# Altium PCB NURIP.PcbDoc (part 1 of 14) (continued)
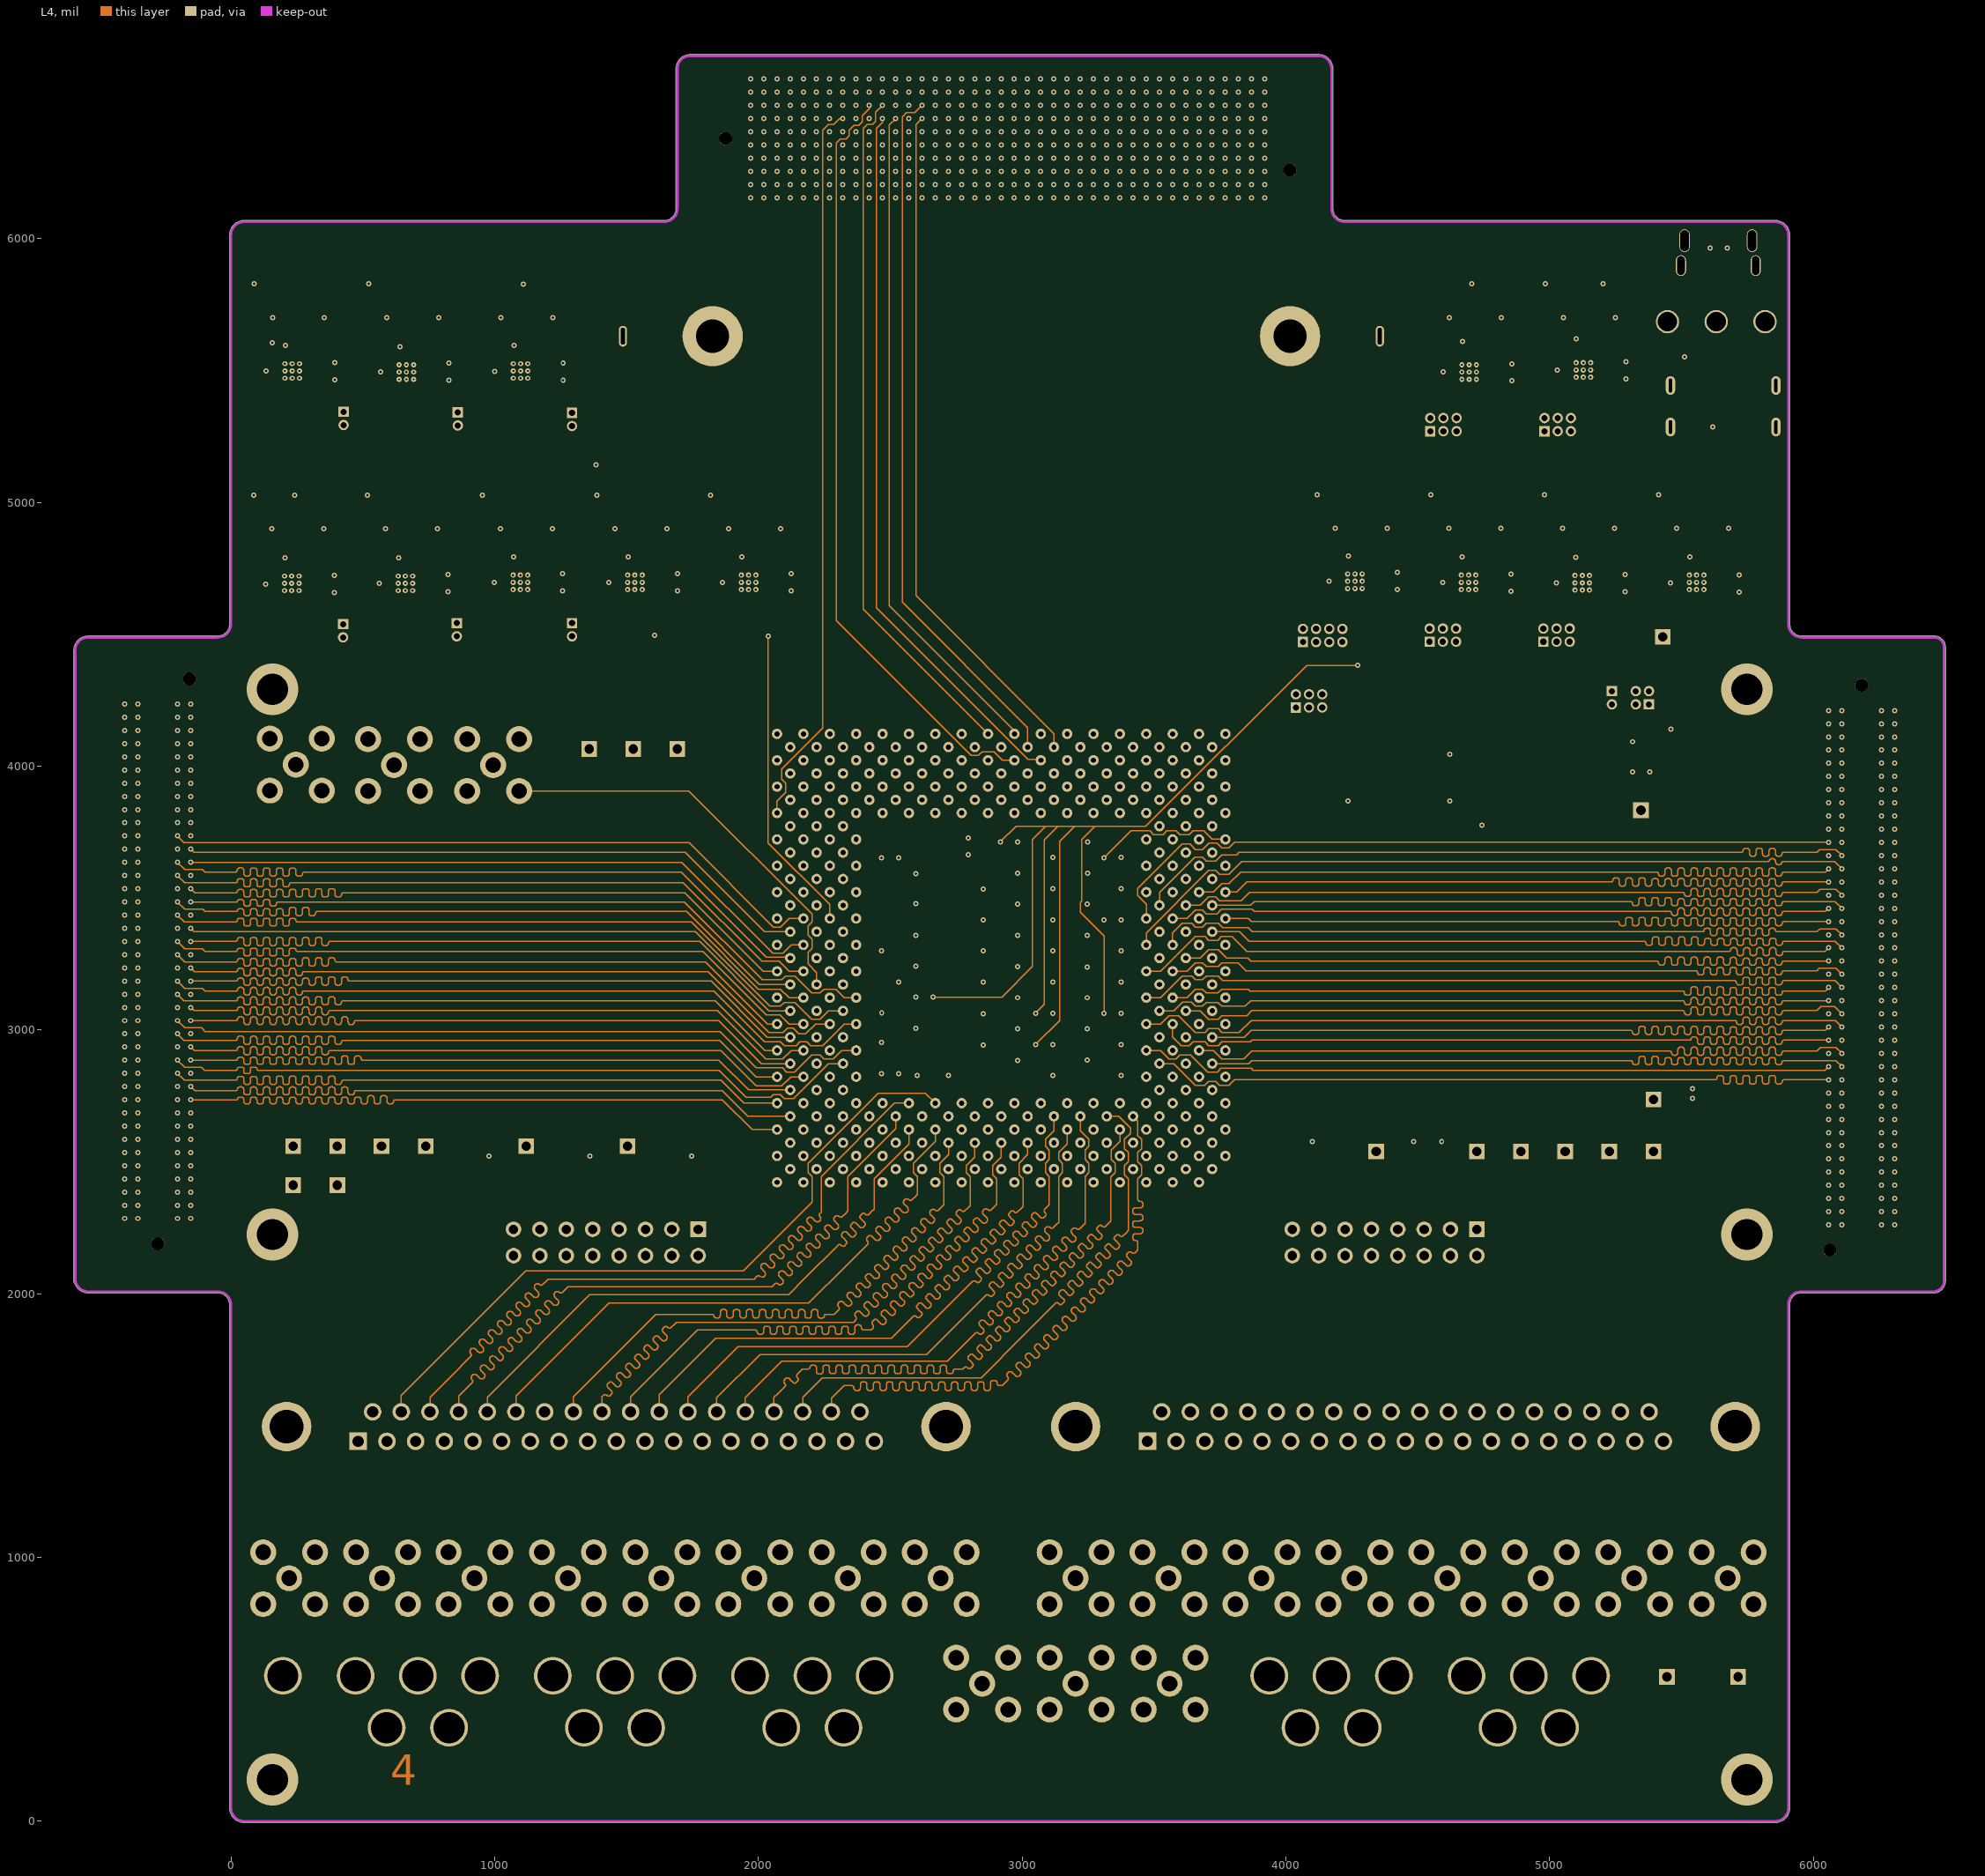
[diagram p4: L4]
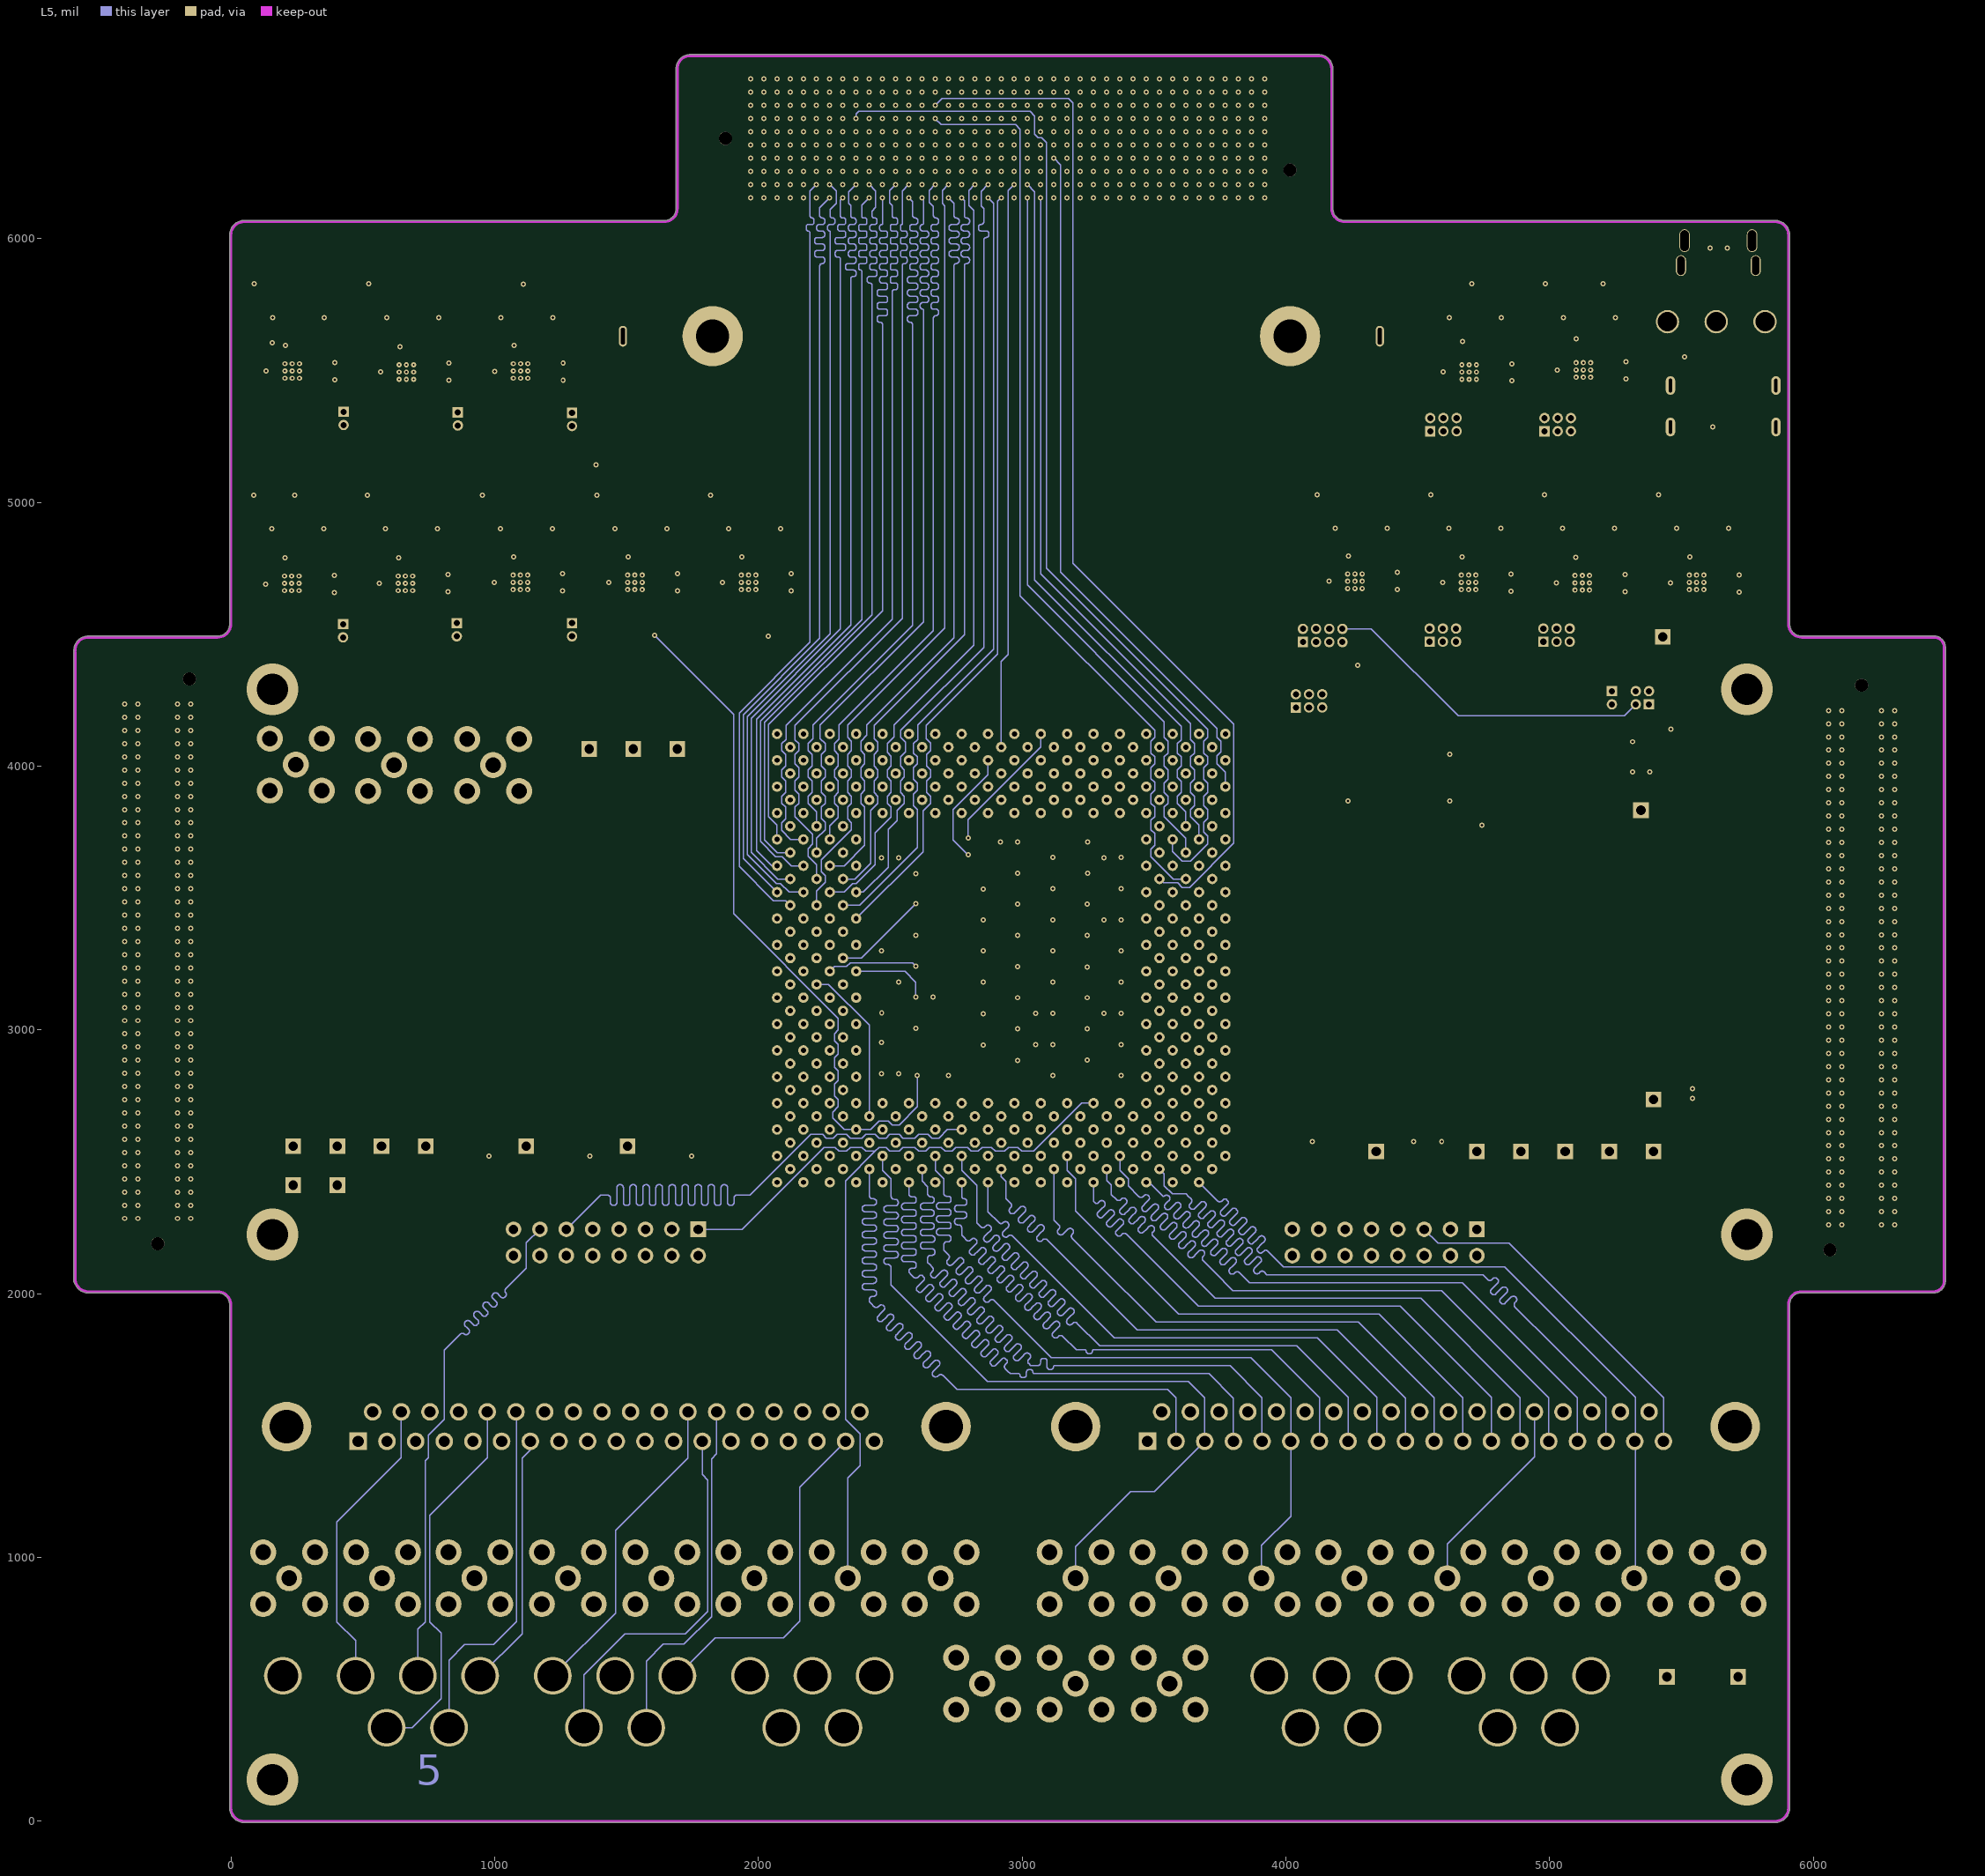
[diagram p5: L5]
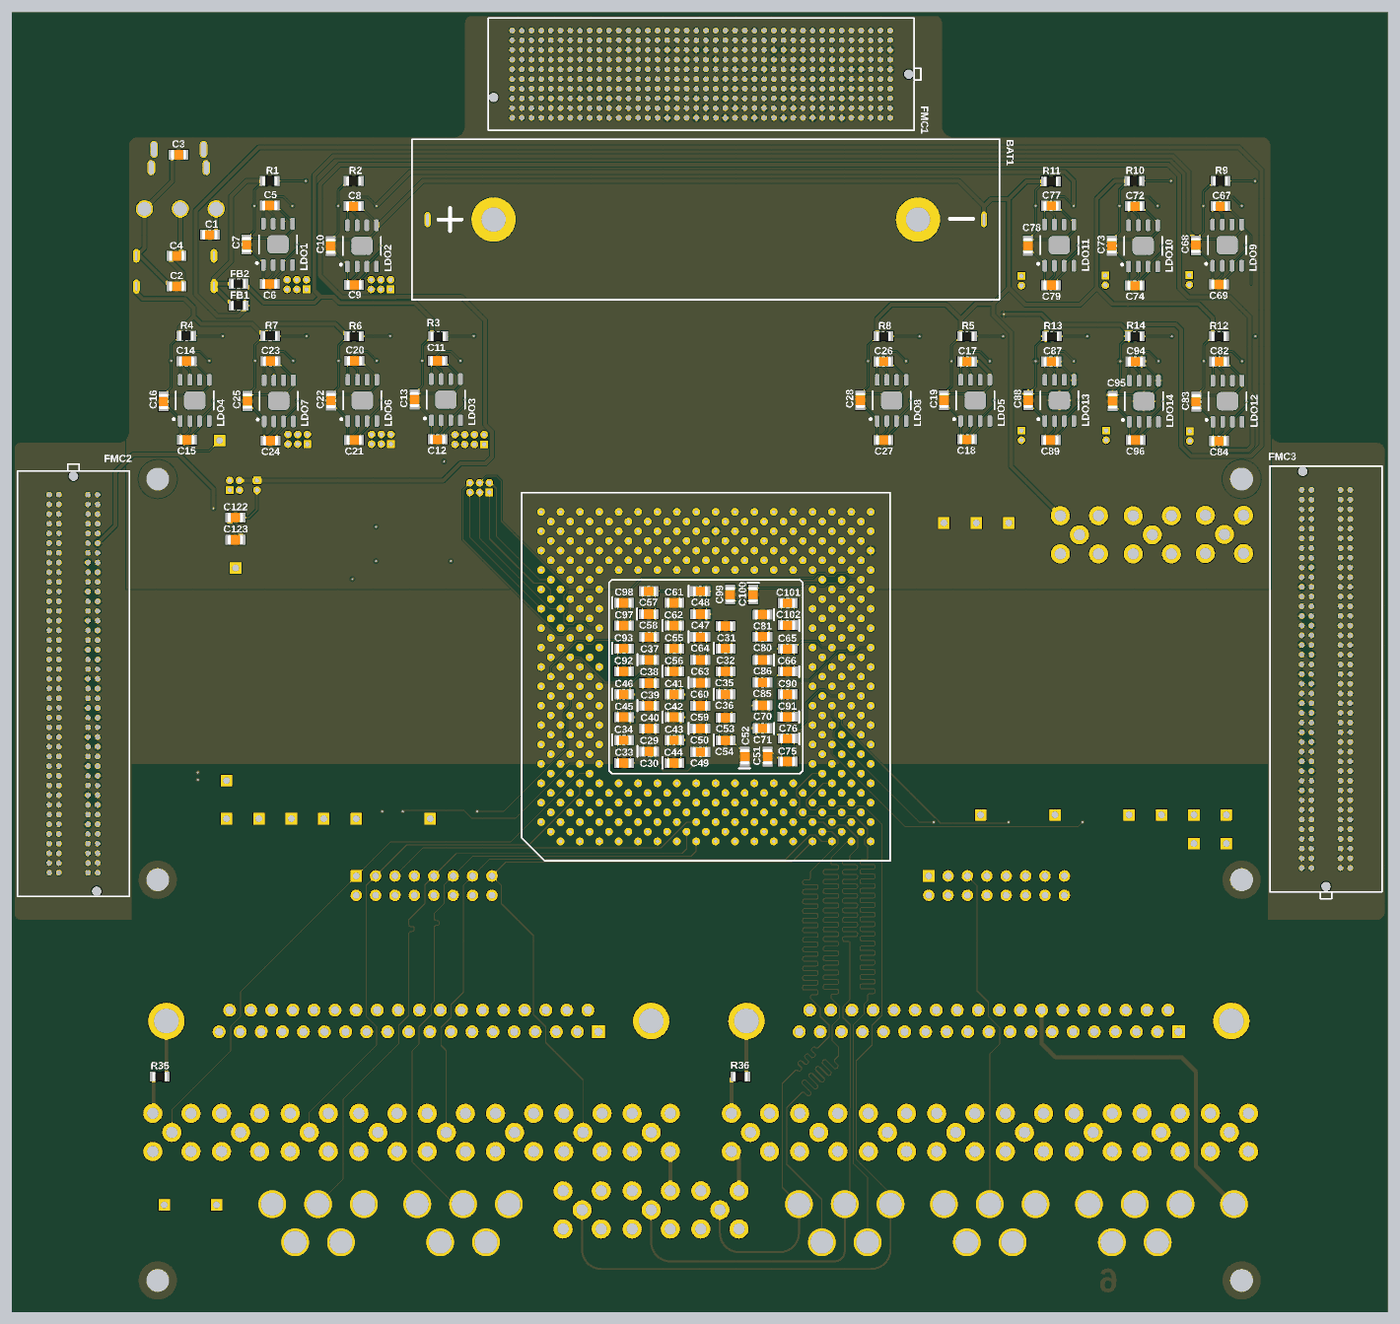
[diagram p19: 3D render of the assembled board from below, using the file's embedded part models]

## Layer stack, top to bottom
Top Solder: solder mask 0.4, Solder Resist, Dk 3.5
L1: signal copper 1.4
Dielectric 1: core 10, FR-4, Dk 4.2
L2: signal copper 1.4173
Dielectric 3: core 10, Dk 4.2
L3: signal copper 1.4173
Dielectric 4: prepreg 5, Dk 4.2
L4: signal copper 1.4173
Dielectric 2: core 10, Dk 4.2
L5: signal copper 1.4173
Dielectric 5: prepreg 5, Dk 4.2
L6: signal copper 1.4
Bottom Solder: solder mask 0.4, Solder Resist, Dk 3.5

## Board outline
-595.57,2057.84 cw(c-590.55,2057.87) -595.57,2057.87 cw(c-590.55,2057.87) -595.57,2057.91 -595.57,2057.87 -595.57,2066.93 cw(c-590.55,2066.93) -595.57,2066.96 -595.57,4433.07 cw(c-590.55,4433.07) -594.86,4435.63 cw(c-590.55,4438.19) -595.57,4438.19 cw(c-540.55,4438.19) -540.55,4493.2 -50,4493.2 ccw(c-50,4538.19) -5.01,4538.19 -5.01,6013.7 cw(c50,6013.7) 50,6068.72 1642.91,6068.72 ccw(c1642.91,6113.7) 1687.9,6113.7 1687.9,6643.62 cw(c1742.2,6643.62) 1742.2,6697.93 4123.94,6697.93 cw(c4123.94,6643.62) 4178.24,6643.62 4178.24,6113.7 ccw(c4223.23,6113.7) 4223.23,6068.72 5855.51,6068.72 cw(c5855.51,6013.7) 5910.53,6013.7 5910.53,5988.7 ccw(c5905.51,5988.7) 5910.53,5988.73 5910.53,5988.7 5910.53,4538.19 ccw(c5955.51,4538.19) 5955.51,4493.2 6462.6,4493.2 cw(c6462.6,4488.19) 6464.89,4492.65 cw(c6457.99,4450.12) 6501.08,4450.12 6501.08,2048.54 cw(c6455.39,2048.54) 6455.39,2002.86 5955.51,2002.86 cw(c5955.51,2007.87) 5954.86,2002.9 cw(c5954.21,2007.87) 5954.21,2002.86 ccw(c5954.21,1959.17) 5910.53,1959.17 cw(c5905.51,1959.17) 5910.53,1959.14 5910.53,50 cw(c5855.51,50) 5855.51,-5.02 50,-5.02 cw(c50,50) -5.01,50 -5.01,1957.87 ccw(c-50,1957.87) -50,2002.86 -540.55,2002.86 cw(c-540.55,2057.87) -593.45,2042.76 cw(c-590.55,2046.85)

## Design rules (kind name [scope] priority, off if disabled: settings)
Clearance [All] p1: gap=5 ignorepadtopadclearanceinfootprint=FALSE
HoleSize [All] p1: absolutevalues=TRUE maxlimit=150 minlimit=1 maxpercent=80.000 minpercent=20.000
MatchedLengths C1 [InNetClass('C1')] p1: tolerance=10 checknetsindiffpair=FALSE checkdiffpairvsdiffpair=TRUE checkxsignals=TRUE checkothers=TRUE
MatchedLengths B8 [InNetClass('B8')] p2: tolerance=10 checknetsindiffpair=FALSE checkdiffpairvsdiffpair=TRUE checkxsignals=TRUE checkothers=TRUE
MatchedLengths B7 [InNetClass('B7')] p3: tolerance=10 checknetsindiffpair=FALSE checkdiffpairvsdiffpair=TRUE checkxsignals=TRUE checkothers=TRUE
MatchedLengths B6 [InNetClass('B6')] p4: tolerance=10 checknetsindiffpair=FALSE checkdiffpairvsdiffpair=TRUE checkxsignals=TRUE checkothers=TRUE
MatchedLengths B5 [InNetClass('B5')] p5: tolerance=10 checknetsindiffpair=FALSE checkdiffpairvsdiffpair=TRUE checkxsignals=TRUE checkothers=TRUE
MatchedLengths B4 [InNetClass('B4')] p6: tolerance=10 checknetsindiffpair=FALSE checkdiffpairvsdiffpair=TRUE checkxsignals=TRUE checkothers=TRUE
MatchedLengths B3 [InNetClass('B3')] p7: tolerance=10 checknetsindiffpair=FALSE checkdiffpairvsdiffpair=TRUE checkxsignals=TRUE checkothers=TRUE
MatchedLengths B2 [InNetClass('B2')] p8: tolerance=10 checknetsindiffpair=FALSE checkdiffpairvsdiffpair=TRUE checkxsignals=TRUE checkothers=TRUE
MatchedLengths B1 [InNetClass('B1')] p9: tolerance=10 checknetsindiffpair=FALSE checkdiffpairvsdiffpair=TRUE checkxsignals=TRUE checkothers=TRUE
MatchedLengths A8 [InNetClass('A8')] p10: tolerance=10 checknetsindiffpair=FALSE checkdiffpairvsdiffpair=TRUE checkxsignals=TRUE checkothers=TRUE
MatchedLengths A7 [InNetClass('A7')] p11: tolerance=10 checknetsindiffpair=FALSE checkdiffpairvsdiffpair=TRUE checkxsignals=TRUE checkothers=TRUE
MatchedLengths A6 [InNetClass('A6')] p12: tolerance=10 checknetsindiffpair=FALSE checkdiffpairvsdiffpair=TRUE checkxsignals=TRUE checkothers=TRUE
MatchedLengths A5 [InNetClass('A5')] p13: tolerance=10 checknetsindiffpair=FALSE checkdiffpairvsdiffpair=TRUE checkxsignals=TRUE checkothers=TRUE
MatchedLengths A4 [InNetClass('A4')] p14: tolerance=10 checknetsindiffpair=FALSE checkdiffpairvsdiffpair=TRUE checkxsignals=TRUE checkothers=TRUE
MatchedLengths A3 [InNetClass('A3')] p15: tolerance=10 checknetsindiffpair=FALSE checkdiffpairvsdiffpair=TRUE checkxsignals=TRUE checkothers=TRUE
MatchedLengths A1 [InNetClass('A1')] p16: tolerance=10 checknetsindiffpair=FALSE checkdiffpairvsdiffpair=TRUE checkxsignals=TRUE checkothers=TRUE
MatchedLengths A2 [InNetClass('A2')] p17: tolerance=10 checknetsindiffpair=FALSE checkdiffpairvsdiffpair=TRUE checkxsignals=TRUE checkothers=TRUE
MatchedLengths FMC3_D [InNetClass('FMC3_D')] p18: tolerance=10 checknetsindiffpair=FALSE checkdiffpairvsdiffpair=TRUE checkxsignals=TRUE checkothers=TRUE
MatchedLengths FMC2_D [InNetClass('FMC2_D')] p19: tolerance=10 checknetsindiffpair=FALSE checkdiffpairvsdiffpair=TRUE checkxsignals=TRUE checkothers=TRUE
MatchedLengths EXT_PER_DOUT [InNetClass('EXT_PER_DOUT')] p20: tolerance=10 checknetsindiffpair=FALSE checkdiffpairvsdiffpair=TRUE checkxsignals=TRUE checkothers=TRUE
MatchedLengths EXT_PER_DIN [InNetClass('EXT_PER_DIN')] p21: tolerance=10 checknetsindiffpair=FALSE checkdiffpairvsdiffpair=TRUE checkxsignals=TRUE checkothers=TRUE
MatchedLengths PER_ADDRR [InNetClass('PER_ADDR')] p22: tolerance=10 checknetsindiffpair=FALSE checkdiffpairvsdiffpair=TRUE checkxsignals=TRUE checkothers=TRUE
MatchedLengths OFF_MEM_DOUT [InNetClass('OFF_MEM_DOUT')] p23: tolerance=10 checknetsindiffpair=FALSE checkdiffpairvsdiffpair=TRUE checkxsignals=TRUE checkothers=TRUE
MatchedLengths OFF_MEM_DIN [InNetClass('OFF_MEM_DIN')] p24: tolerance=10 checknetsindiffpair=FALSE checkdiffpairvsdiffpair=TRUE checkxsignals=TRUE checkothers=TRUE
MatchedLengths OFF_MEM_ADDR [InNetClass('OFF_MEM_ADDR')] p25: tolerance=10 checknetsindiffpair=FALSE checkdiffpairvsdiffpair=TRUE checkxsignals=TRUE checkothers=TRUE
MatchedLengths D1 [InNetClass('D1')] p26: tolerance=10 checknetsindiffpair=FALSE checkdiffpairvsdiffpair=TRUE checkxsignals=TRUE checkothers=TRUE
MatchedLengths FMC2 [InNetClass('FMC2')] p27: tolerance=10 checknetsindiffpair=FALSE checkdiffpairvsdiffpair=TRUE checkxsignals=TRUE checkothers=TRUE
MatchedLengths FMC3 [InNetClass('FMC3')] p28: tolerance=10 checknetsindiffpair=FALSE checkdiffpairvsdiffpair=TRUE checkxsignals=TRUE checkothers=TRUE
PolygonConnect [All] p1: connectstyle=Relief reliefconductorwidth=10 reliefentries=4 polygonreliefangle="90 Angle" airgapwidth=10
RoutingVias [All] p1: holewidth=10 width=10 viastyle="Through Hole" minholewidth=10 minwidth=10 maxholewidth=130 maxwidth=150
ShortCircuit FMC_Via [InAnyComponent and IsVia vs IsPad] p1: allowed=TRUE
SolderMaskExpansion [All] p1: expansion=4
ViasUnderSMD [All] p1: allowed=TRUE
Width [All] p1: maxlimit=20 minlimit=5 preferedwidth=5 midlayer4_maxwidth=5 minimp=50.000000 maximp=50.000000 favimp=50.000000
28 further rules are at their usual default settings.

## Classes and differential pairs
net class FMC3_D: D\_buff1 D\_buff2 D_buff1 D_buff2
net class FMC2_D: D D\
net class PER_ADDR: PER_ADDR(0) PER_ADDR(1) PER_ADDR(2) PER_ADDR(3) PER_ADDR(4) PER_ADDR(5) PER_ADDR(6) PER_ADDR(7) PER_ADDR(8) PER_ADDR(9) PER_ADDR(10) PER_ADDR(11) PER_ADDR(12) PER_ADDR(13)
net class OFF_MEM_DOUT: OFF_MEM_DOUT(0) OFF_MEM_DOUT(1) OFF_MEM_DOUT(2) OFF_MEM_DOUT(3) OFF_MEM_DOUT(4) OFF_MEM_DOUT(5) OFF_MEM_DOUT(6) OFF_MEM_DOUT(7) OFF_MEM_DOUT(8) OFF_MEM_DOUT(9) OFF_MEM_DOUT(10) OFF_MEM_DOUT(11) OFF_MEM_DOUT(12) OFF_MEM_DOUT(13) OFF_MEM_DOUT(14) OFF_MEM_DOUT(15)
net class OFF_MEM_DIN: OFF_MEM_DIN(0) OFF_MEM_DIN(1) OFF_MEM_DIN(2) OFF_MEM_DIN(3) OFF_MEM_DIN(4) OFF_MEM_DIN(5) OFF_MEM_DIN(6) OFF_MEM_DIN(7) OFF_MEM_DIN(8) OFF_MEM_DIN(9) OFF_MEM_DIN(10) OFF_MEM_DIN(11) OFF_MEM_DIN(12) OFF_MEM_DIN(13) OFF_MEM_DIN(14) OFF_MEM_DIN(15)
net class OFF_MEM_ADDR: OFF_MEM_ADDR(0) OFF_MEM_ADDR(1) OFF_MEM_ADDR(2) OFF_MEM_ADDR(3) OFF_MEM_ADDR(4) OFF_MEM_ADDR(5) OFF_MEM_ADDR(6) OFF_MEM_ADDR(7) OFF_MEM_ADDR(8) OFF_MEM_ADDR(9) OFF_MEM_ADDR(10) OFF_MEM_ADDR(11) OFF_MEM_ADDR(12) OFF_MEM_ADDR(13) OFF_MEM_ADDR(14) OFF_MEM_ADDR(15) OFF_MEM_ADDR(16) OFF_MEM_ADDR(17) OFF_MEM_ADDR(18) OFF_MEM_WE
net class EXT_PER_DOUT: EXT_PER_DOUT(0) EXT_PER_DOUT(1) EXT_PER_DOUT(2) EXT_PER_DOUT(3) EXT_PER_DOUT(4) EXT_PER_DOUT(5) EXT_PER_DOUT(6) EXT_PER_DOUT(7) EXT_PER_DOUT(8) EXT_PER_DOUT(9) EXT_PER_DOUT(10) EXT_PER_DOUT(11) EXT_PER_DOUT(12) EXT_PER_DOUT(13) EXT_PER_DOUT(14) EXT_PER_DOUT(15)
net class EXT_PER_DIN: EXT_PER_DIN(0) EXT_PER_DIN(1) EXT_PER_DIN(2) EXT_PER_DIN(3) EXT_PER_DIN(4) EXT_PER_DIN(5) EXT_PER_DIN(6) EXT_PER_DIN(7) EXT_PER_DIN(8) EXT_PER_DIN(9) EXT_PER_DIN(10) EXT_PER_DIN(11) EXT_PER_DIN(12) EXT_PER_DIN(13) EXT_PER_DIN(14) EXT_PER_DIN(15)
component class DBE: C87 C88 C89 C90 C91 C92 C93 C94 C95 C96 C97 C98 C99 C100 C101 C102 FMC1 LDO13 LDO14 P10 P11 P14 POT13 POT14 R13 R14 SW13 SW14
component class AFE: ADC1 ADC2 BAT1 C1 C2 C3 C4 C5 C6 C7 C8 C9 C10 C11 C12 C13 C14 C15 C16 C17 C18 C19 C20 C21 C22 C23 C24 C25 C26 C27 C28 C29 C30 C31 C32 C33 C34 C35 C36 C37 C38 C39 C40 C41 C42 C43 C44 C45 C46 C47 C48 C49 C50 C51 C52 C53 C54 C55 C56 C57 C58 C59 C60 C61 C62 C63 C64 C65 C66 C67 C68 C69 C70 C71 C72 C73 C74 C75 C76 C77 C78 C79 C80 C81 C82 C83 C84 C85 C86 C103 C104 C105 C106 C107 C108 C109 C110 C111 C112 C113 C114 C115 C116 C117 C118 C119 C120 C121 C122 C123 DAC1 Elect1 Elect2 Elect3 Elect4 Elect5 Elect6 FB1 FB2 FMC2 FMC3 J1 J2 J3 J4 J6 J7 J8 J9 J10 J11 J12 J13 J14 J15 J16 J17 J18 J19 J20 J21 J22 J23 J24 J25 LDO1 LDO2 LDO3 LDO4 LDO5 LDO6 LDO7 LDO8 LDO9 LDO10 LDO11 LDO12 OA1 OA2 OA3 OA4 OA5 P1 P2 P3 P4 P5 P6 P7 P8 P9 P12 P13 P15 P16 PB1 PB2 POT1 POT2 POT3 POT4 POT5 POT6 POT7 POT8 POT9 POT10 POT11 POT12 POT15 POT16 POT17 POT18 POT19 POT20 POT21 POT22 POT23 POT24 POT25 POT26 POT27 POT28 POT29 POT30 PWR1 PWR3 R1 R2 R3 R4 R5 R6 R7 R8 R9 R10 R11 R12 R15 R16 R17 R18 R19 R20 R21 R22 R23 R24 R25 R26 R27 R28 R29 R30 R31 R32 R33 R34 R35 R36 SMB1 SMB2 SMB3 SMB4 SMB5 SMB6 SMB7 SMB8 SMB9 SMB10 SMB11 SMB12 SMB13 SMB14 SMB15 SMB16 SMB17 SMB18 SMB19 SMB20 SMB21 SMB22 SW0 SW1 SW2 SW3 SW4 SW5 SW6 SW7 SW8 SW9 SW10 SW11 SW12
net class A1: 0A1 0A3 0A5 0A7 REF1A
net class A2: 0A2 0A4 0A6 0A8 REF2A
net class A3: 0A9 1A1 1A3 1A5 REF3A
net class A4: 1A0 1A2 1A4 1A6 REF4A
net class A5: 1A7 1A9 2A1 2A3 REF5A
net class A6: 1A8 2A0 2A2 2A4 REF6A
net class A7: 2A5 2A7 2A9 3A1 REF7A
net class A8: 2A6 2A8 3A0 3A2 REF8A
net class B1: 0B1 0B2 0B3 0B4 REF1B
net class B2: 0B5 0B6 0B7 0B8 REF2B
net class B3: 0B9 1B0 1B1 1B2 REF3B
net class B4: 1B3 1B4 1B5 1B6 REF4B
net class B5: 1B7 1B8 1B9 2B0 REF5B
net class B6: 2B1 2B2 2B3 2B4 REF6B
net class B7: 2B5 2B6 2B7 2B8 REF7B
net class B8: 2B9 3B0 3B1 3B2 REF8B
net class C1: 0C1 0C2 0C3 0C4 REF1C
net class D1: VINN1 VINN2 VINP
net class FMC2: CLK_CH_A CLK_CH_B CLK_CH_C CLK_D_A CLK_D_B CLK_D_C CLK_DEC CLK_LATCH_A CLK_LATCH_B CLK_LATCH_C CLK_SPI DATA_IN_SPI DATA_OUT_PSI LOAD_SPI PHI1_A PHI1_B PHI2_A PHI2_B PHI3_A SH1_WR0 STIM_CLK STIM_IN STIM_LOAD
net class FMC3: C\L\K_D CLK_ACCUM_D CLK_CH_D CLK_D CLK_D_D CLK_DAC_D CLK_DEC_D CLK_LATCH_D DATA_OUT_1 DATA_OUT_2 PHI1_D PHI2_D PHI3_D SH1_WR0_A SH1_WR0_B SPI_CLK_D SPI_DATA_D SPI_LOAD_D STIM_DATA_D STIM_LOAD_D
component class CHIP: ICGTRRP2
net class A: 0A1 0A2 0A3 0A4 0A5 0A6 0A7 0A8 0A9 1A0 1A1 1A2 1A3 1A4 1A5 1A6 1A7 1A8 1A9 2A0 2A1 2A2 2A3 2A4 2A5 2A6 2A7 2A8 2A9 3A0 3A1 3A2 NetJ1_1 NetJ1_20 REF_DC
net class B: 0B1 0B2 0B3 0B4 0B5 0B6 0B7 0B8 0B9 1B0 1B1 1B2 1B3 1B4 1B5 1B6 1B7 1B8 1B9 2B0 2B1 2B2 2B3 2B4 2B5 2B6 2B7 2B8 2B9 3B0 3B1 3B2 NetJ2_1 NetJ2_20 REF_DC
net class A_REF: REF1A REF2A REF3A REF4A REF5A REF6A REF7A REF8A
net class B_REF: REF1B REF2B REF3B REF4B REF5B REF6B REF7B REF8B
net class DBE: AFE_SAMPLES_READ AWG_STIM_WEN CLK CPU_EN CPU_EXT_IRQ DBG_EN DBG_IART_RXD DBG_UART_RXD DBG_UART_TXD OFF_MEM_CE PER_EN PER_WEN RST SYSTEM_DONE TEST_MODE TEST_SE

## Components (designator, comment, footprint, x,y, rotation, side; value= is the part's Value field where it differs from the comment)
ADC1 "ADS7866" ADS7866 5596.46,2740.16 r0 top
ADC2 "ADS7866" ADS7866 5596.46,2539.37 r0 top
BAT1 "BATTERY" BAT 2921.26,5629.92 r180 bottom
C1 "10u" CAP 5446.85,5551.18 r0 bottom
C2 "10u" CAP 5683.07,5285.43 r180 bottom
C3 "10u" CAP 5673.23,5964.57 r180 bottom
C4 "10u" CAP 5618.11,5442.91 r0 bottom
C5 "10u" CAP 5202.76,5702.76 r180 bottom
C6 "8.2n" CAP 5202.76,5297.24 r180 bottom
C7 "10u" CAP 5289.37,5468.5 r90 bottom
C8 "10u" CAP 4769.69,5698.82 r180 bottom
C9 "8.2n" CAP 4767.72,5293.31 r180 bottom
C10 "10u" CAP 4856.3,5460.63 r90 bottom
C11 "10u" CAP 4336.61,4901.57 r180 bottom
C12 "8.2n" CAP 4336.61,4496.06 r180 bottom
C13 "10u" CAP 4423.23,4669.29 r90 bottom
C14 "10u" CAP 5631.89,4899.61 r180 bottom
C15 "8.2n" CAP 5629.92,4494.09 r180 bottom
C16 "10u" CAP 5718.5,4659.45 r90 bottom
C17 "10u" CAP 1606.3,4897.64 r180 bottom
C18 "8.2n" CAP 1606.3,4496.06 r180 bottom
C19 "10u" CAP 1692.91,4665.35 r90 bottom
C20 "10u" CAP 4765.75,4901.57 r180 bottom
C21 "8.2n" CAP 4767.72,4492.13 r180 bottom
C22 "10u" CAP 4854.33,4663.39 r90 bottom
C23 "10u" CAP 5198.82,4899.61 r180 bottom
C24 "8.2n" CAP 5198.82,4490.16 r180 bottom
C25 "10u" CAP 5285.43,4661.42 r90 bottom
C26 "10u" CAP 2037.4,4897.64 r180 bottom
C27 "8.2n" CAP 2037.4,4492.13 r180 bottom
C28 "10u" CAP 2124.02,4665.35 r90 bottom
C29 "100n" CAP 3246.06,3003.94 r180 bottom
C30 "1u (Tant)" "CAP TANT" 3246.06,2885.83 r180 bottom
C31 "100n" CAP 2852.36,3533.46 r180 bottom
C32 "1u (Tant)" "CAP TANT" 2852.36,3417.32 r180 bottom
C33 "100n" CAP 3375.98,2826.77 r180 bottom
C34 "1u (Tant)" "CAP TANT" 3375.98,2944.88 r180 bottom
C35 "100n" CAP 2852.36,3299.21 r180 bottom
C36 "1u (Tant)" "CAP TANT" 2852.36,3181.1 r180 bottom
C37 "100n" CAP 3246.06,3476.38 r180 bottom
C38 "1u (Tant)" "CAP TANT" 3246.06,3358.27 r180 bottom
C39 "100n" CAP 3246.06,3238.19 r180 bottom
C40 "1u (Tant)" "CAP TANT" 3246.06,3122.05 r180 bottom
C41 "100n" CAP 3116.14,3181.1 r180 bottom
C42 "1u (Tant)" "CAP TANT" 3116.14,3062.99 r180 bottom
C43 "100n" CAP 3116.14,2944.88 r180 bottom
C44 "1u (Tant)" "CAP TANT" 3116.14,2826.77 r180 bottom
C45 "100n" CAP 3375.98,3062.99 r180 bottom
C46 "1u (Tant)" "CAP TANT" 3375.98,3181.1 r180 bottom
C47 "100n" CAP 2982.28,3594.49 r180 bottom
C48 "1u (Tant)" "CAP TANT" 2982.28,3712.6 r180 bottom
C49 "100n" CAP 2982.28,2883.86 r180 bottom
C50 "1u (Tant)" "CAP TANT" 2982.28,3003.94 r180 bottom
C51 "100n" CAP 2602.36,2826.77 r90 bottom
C52 "1u (Tant)" "CAP TANT" 2720.47,2826.77 r90 bottom
C53 "100n" CAP 2852.36,3061.02 r180 bottom
C54 "1u (Tant)" "CAP TANT" 2852.36,2942.91 r180 bottom
C55 "100n" CAP 3116.14,3417.32 r180 bottom
C56 "1u (Tant)" "CAP TANT" 3116.14,3299.21 r180 bottom
C57 "100n" CAP 3248.03,3712.6 r180 bottom
C58 "1u (Tant)" "CAP TANT" 3248.03,3594.49 r180 bottom
C59 "100n" CAP 2982.28,3122.05 r180 bottom
C60 "1u (Tant)" "CAP TANT" 2982.28,3240.16 r180 bottom
C61 "100n" CAP 3116.14,3653.54 r180 bottom
C62 "1u (Tant)" "CAP TANT" 3116.14,3535.43 r180 bottom
C63 "100n" CAP 2982.28,3358.27 r180 bottom
C64 "1u (Tant)" "CAP TANT" 2982.28,3476.38 r180 bottom
C65 "100n" CAP 2466.54,3415.35 r0 bottom
C66 "1u (Tant)" "CAP TANT" 2466.54,3299.21 r0 bottom
C67 "10u" CAP 299.21,5698.82 r180 bottom
C68 "10u" CAP 393.7,5464.57 r90 bottom
C69 "8.2n" CAP 307.09,5295.28 r180 bottom
C70 "100n" CAP 2596.46,3124.02 r0 bottom
C71 "1u (Tant)" "CAP TANT" 2596.46,3005.91 r0 bottom
C72 "10u" CAP 740.16,5698.82 r180 bottom
C73 "10u" CAP 826.77,5462.6 r90 bottom
C74 "8.2n" CAP 740.16,5289.37 r180 bottom
C75 "100n" CAP 2466.54,2834.65 r0 bottom
C76 "1u (Tant)" "CAP TANT" 2466.54,2952.76 r0 bottom